# Altium PCB Main_Power_Uint_1st.PcbDoc (part 2 of 2)
Units mm, origin at the board's own origin, x right, y up, seen from the top; angles counter-clockwise.
Board outline 124 x 148 mm, 4 copper layers (Top Layer, Layer 1, Layer 2, Bottom Layer), stack 0.603 mm thick; 173 components, 114 nets, 584 pads, 448 vias.
Unrouted connection lines stored in the file: 184.
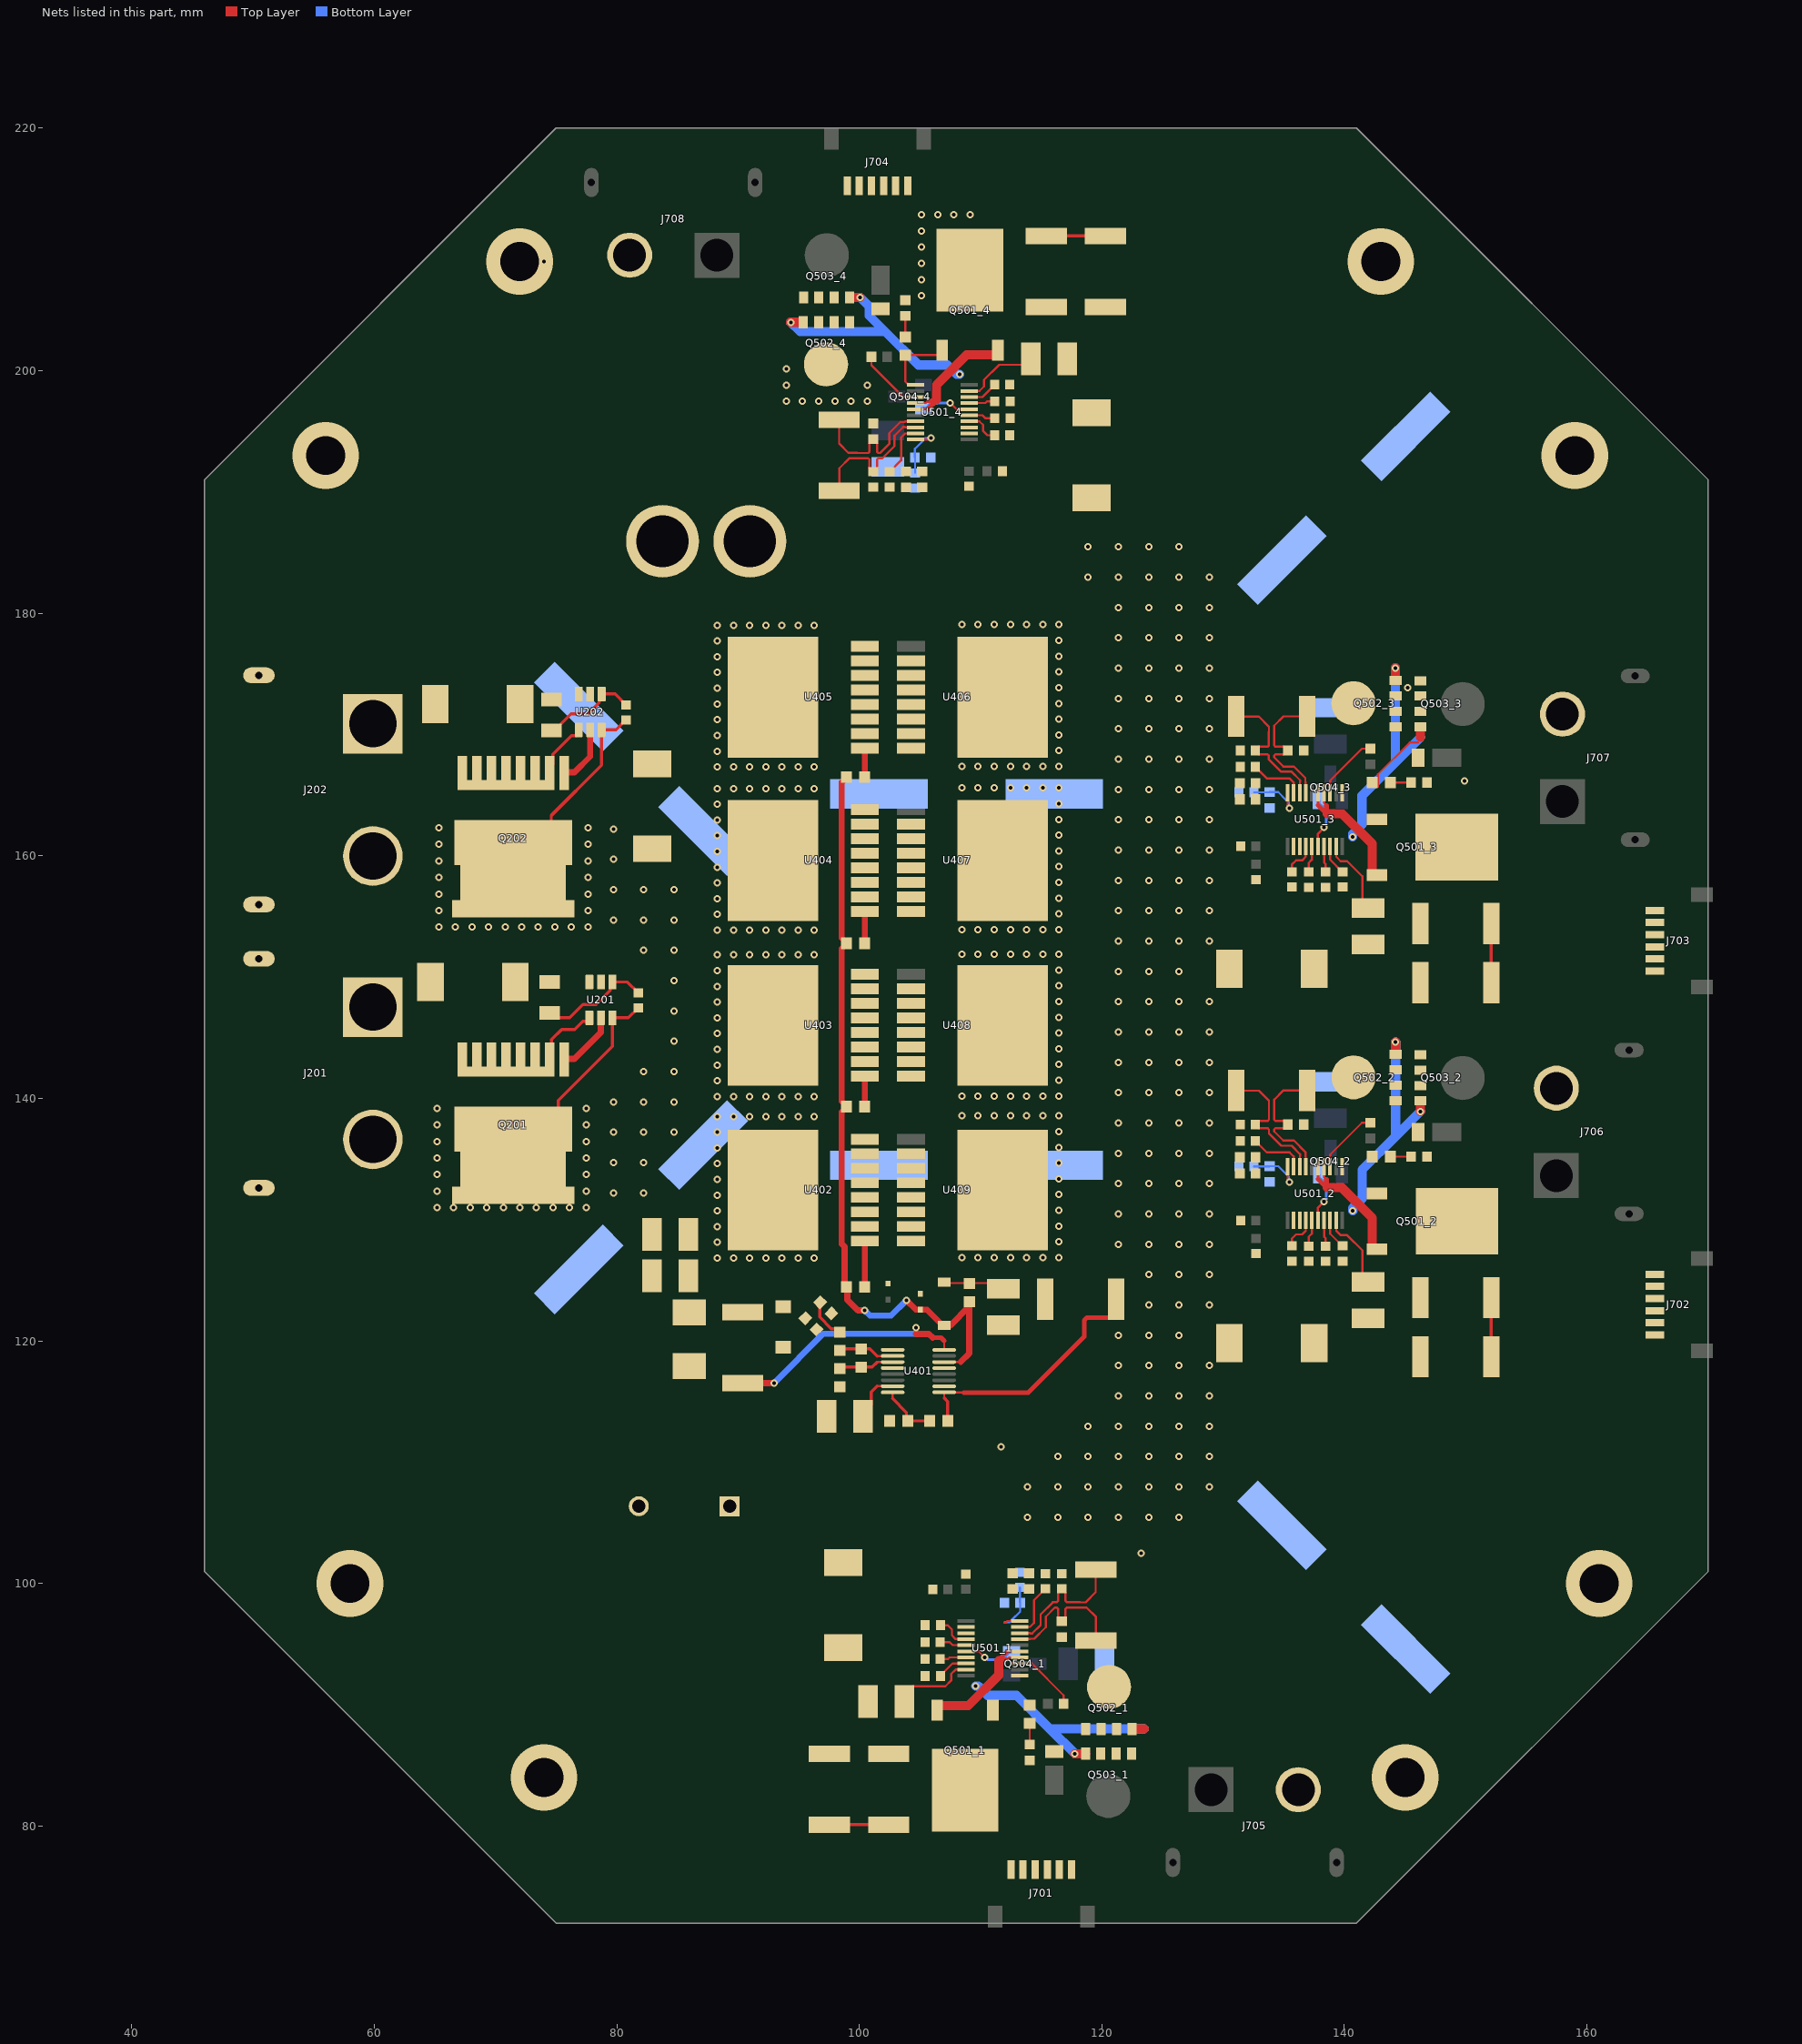
[diagram p3: the nets of this part, all layers, seen from the top]

## Via types
v1: diameter 0.6, hole 0.3, Top Layer to Bottom Layer, 440 vias
v2: diameter 5.5, hole 3.2, Top Layer to Bottom Layer, 8 vias

## Nets (pads, with @x,y where several pads share a name; then routed paths per layer and width w, separated by ;. In a path a pad name is that pad's centre, name@x,y a point inside that pad or via, vN(x,y) a via of type N, cw(c..) or ccw(c..) an arc to the next point about the centre after c; other vN are vias at no path point) (continued)
FB: R406.2 R407.1 U401.16 | length 4.7
  Top Layer w0.178: 102.75,115.247 U401.16@102.75,115.763
  Top Layer w0.254: 102.75,115.247 103.884,114.113 103.884,113.521 R407.1@104,113.406 R406.2@105.794,113.406
FLT_I1: J701.6 R506_1.1
FLT_I2: J702.6 R506_2.1
FLT_I3: J703.6 R506_3.1
FLT_I4: J704.6 R506_4.1
FLT_I_1: R506_1.2 U501_1.5 | length 2.2
  Top Layer w0.178: R506_1.2@106.678,95.166 107.442,95.166 107.693,94.915 108.787,94.915 U501_1.5@108.794,94.908
FLT_I_2: R506_2.2 U501_2.5 | length 2.2
  Top Layer w0.178: R506_2.2@137.061,127.823 137.061,128.587 137.312,128.838 137.312,129.932 U501_2.5@137.319,129.939
FLT_I_3: R506_3.2 U501_3.5 | length 2.2
  Top Layer w0.178: R506_3.2@137.058,158.663 137.058,159.427 137.309,159.677 137.309,160.772 U501_3.5@137.316,160.779
FLT_I_4: R506_4.2 U501_4.5 | length 2.2
  Top Layer w0.178: U501_4.5@109.057,196.327 109.064,196.32 110.158,196.32 110.409,196.069 R506_4.2@111.173,196.069
FLT_T1: J701.5 R505_1.1
FLT_T2: J702.5 R505_2.1
FLT_T3: J703.5 R505_3.1
FLT_T4: J704.5 R505_4.1
FLT_T_1: R505_1.2 U501_1.4 | length 2.9
  Top Layer w0.178: R505_1.2@106.688,96.563 107.287,96.563 107.635,96.215 107.635,95.72 107.939,95.415 108.787,95.415 U501_1.4@108.794,95.408
FLT_T_2: R505_2.2 U501_2.4 | length 2.9
  Top Layer w0.178: R505_2.2@135.664,127.833 135.664,128.432 136.012,128.78 136.507,128.78 136.812,129.084 136.812,129.932 U501_2.4@136.819,129.939
FLT_T_3: R505_3.2 U501_3.4 | length 2.9
  Top Layer w0.178: R505_3.2@135.661,158.673 135.661,159.272 136.009,159.619 136.504,159.619 136.809,159.924 136.809,160.772 U501_3.4@136.816,160.779
FLT_T_4: R505_4.2 U501_4.4 | length 2.9
  Top Layer w0.178: U501_4.4@109.057,195.827 109.064,195.82 109.912,195.82 110.216,195.515 110.216,195.02 110.564,194.672 R505_4.2@111.163,194.672
G1: J701.1 Q501_1.1 R514_1.2 U501_1.11
G2: J702.1 Q501_2.1 R514_2.2 U501_2.11
G3: J703.1 Q501_3.1 R514_3.2 U501_3.11
G4: J704.1 Q501_4.1 R514_4.2 U501_4.11 | length 6.3
  Top Layer w0.178: U501_4.11@104.633,198.827 104.07,198.827 103.797,199.1 R514_4.2@103.797,201.285 106.455,201.285 106.841,201.671 Q501_4.1@106.841,201.683
GATE1: Q201.1 U201.5 | length 5.2
  Top Layer w0.508: Q201.1@75.657,143.207 75.712,143.263 76.521,143.263 78.696,145.437 U201.5@78.696,146.642
GATE2: Q202.1 U202.5 | length 4.9
  Top Layer w0.508: Q202.1@75.657,166.829 75.721,166.894 76.521,166.894 77.807,168.179 U202.5@77.807,170.391
GND: C201.1 C202.1 C203.1 C204.2 C205.2 C206.2 C207.1 C208.1 C209.1 C401.1 C402.2 C403.1 C500_1.2 C500_2.2 C500_3.2 C500_4.2 C501_1.1 C501_2.1 C501_3.1 C501_4.1 C502_1.1 C502_2.1 C502_3.1 C502_4.1 C503_1.1 C503_2.1 C503_3.1 C503_4.1 C507_1.1 C507_2.1 C507_3.1 C507_4.1 C508_1.2 C508_2.2 C508_3.2 C508_4.2 C509_1.2 C509_2.2 C509_3.2 C509_4.2 D201.2 D202.2 D203.2 D401.2 D501_1.2 D501_2.2 D501_3.2 D501_4.2 D502_1.1 D502_2.1 D502_3.1 D502_4.1 J201.N J201.S1 J201.S2 J202.N J202.S1 J202.S2 J705.2 J706.2 J707.2 J708.2 J709.1 Q504_1.2 Q504_2.2 Q504_3.2 Q504_4.2 R403.2 R407.2 R502_1.1 R502_2.1 R502_3.1 R502_4.1 R503_1.1 R503_2.1 R503_3.1 R503_4.1 R504_1.1 R504_2.1 R504_3.1 R504_4.1 U201.2 U201.3 U202.2 U202.3 U401.12 U501_1.6 U501_2.6 U501_3.6 U501_4.6 | length 17.2
  Top Layer w0.178: v1(107.505,197.334) 108.012,196.827 U501_4.6@109.057,196.827 ; U501_1.6@108.794,94.408 109.838,94.408 v1(110.346,93.901) ; U501_3.6@137.816,160.779 137.816,161.823 v1(138.323,162.33) ; U501_2.6@137.819,129.939 137.819,130.983 v1(138.326,131.491)
  Bottom Layer w0.254: Q504_4.2@105.303,196.907 105.503,196.907 105.876,197.28 105.971,197.28 106.025,197.334 v1(107.505,197.334) ; v1(110.346,93.901) 110.405,93.901 110.584,93.722 111.48,93.722 111.499,93.703 111.815,93.703 112.038,93.926 112.038,94.018 112.348,94.328 Q504_1.2@112.548,94.328 ; Q504_3.2@137.896,164.532 137.896,164.332 138.206,164.023 138.298,164.023 138.521,163.8 138.521,163.484 138.502,163.465 138.502,162.569 138.323,162.39 v1(138.323,162.33) ; Q504_2.2@137.899,133.693 137.899,133.493 138.209,133.183 138.301,133.183 138.524,132.96 138.524,132.644 138.505,132.625 138.505,131.729 138.326,131.55 v1(138.326,131.491)
  other v1: 74,209
  other v2: 74,84 145,84 58,100 161,100 56,193 159,193 72,209 143,209
HGATE: D402.1 D404.2 R408.1 R409.1 R410.1 R411.1 R412.1 U401.6 | length 62.8
  Top Layer w0.178: U401.6@107,118.263 108.365,118.263
  Top Layer w0.508: R410.1@98.885,139.415 98.548,139.752 98.548,152.352 98.885,152.689 98.885,152.714 R411.1@98.954,152.783 ; R411.1@98.885,152.877 98.548,153.214 98.548,166.068 98.885,166.405 98.885,166.43 R412.1@98.954,166.499 ; R409.1@98.937,124.459 98.937,124.533 98.79,124.68 98.79,127.762 98.548,128.004 98.548,138.89 98.885,139.227 98.885,139.252 R410.1@98.954,139.321 ; R409.1@98.954,124.459 99.023,124.39 99.023,123.385 99.892,122.516 v1(100.454,122.516) ; v1(103.88,123.361) 104.667,122.574 105.574,122.574 D404.2@106.846,121.302 ; D404.2@107.165,121.291 107.513,121.291 R408.1@109.071,122.849 ; 108.365,118.263 109.071,118.969 R408.1@109.071,122.849 ; R408.1@109.071,123.234 R408.1@109.071,122.849
  Bottom Layer w0.508: v1(100.454,122.516) 100.879,122.091 102.61,122.091 v1(103.88,123.361)
I_SENSE_1_P: C506_1.1 Q502_1.5-6 R511_1.1 U501_1.17 | length 12
  Top Layer w0.178: U501_1.17@113.218,95.408 113.225,95.415 114.073,95.415 114.1,95.442 114.426,95.442 115.38,96.396 115.38,97.267 116.133,98.02 116.28,98.02 116.384,97.916 116.384,97.194 C506_1.1@116.696,96.883 117.007,97.194 117.007,97.916 117.111,98.02 118.029,98.02 118.036,98.013 118.744,98.013 119.515,97.241 R511_1.1@119.515,95.289
I_SENSE_2_P: C506_2.1 Q502_2.5-6 R511_2.1 U501_2.17 | length 12
  Top Layer w0.178: U501_2.17@136.819,134.363 136.812,134.37 136.812,135.218 136.785,135.245 136.785,135.571 135.831,136.525 134.96,136.525 134.207,137.278 134.207,137.425 134.311,137.529 135.033,137.529 C506_2.1@135.344,137.841 135.033,138.152 134.311,138.152 134.207,138.256 134.207,139.174 134.214,139.181 134.214,139.889 134.986,140.66 R511_2.1@136.938,140.66
I_SENSE_3_P: C506_3.1 Q502_3.5-6 R511_3.1 U501_3.17 | length 12
  Top Layer w0.178: U501_3.17@136.816,165.203 136.809,165.21 136.809,166.057 136.782,166.084 136.782,166.41 135.828,167.364 134.957,167.364 134.204,168.118 134.204,168.265 134.308,168.369 135.03,168.369 C506_3.1@135.341,168.68 135.03,168.991 134.308,168.991 134.204,169.096 134.204,170.013 134.211,170.021 134.211,170.728 134.983,171.5 R511_3.1@136.935,171.5
I_SENSE_4_P: C506_4.1 Q502_4.5-6 R511_4.1 U501_4.17 | length 12
  Top Layer w0.178: R511_4.1@98.336,195.946 98.336,193.994 99.107,193.222 99.815,193.222 99.822,193.215 100.74,193.215 100.844,193.319 100.844,194.041 C506_4.1@101.155,194.352 101.466,194.041 101.466,193.319 101.571,193.215 101.718,193.215 102.471,193.968 102.471,194.839 103.425,195.793 103.751,195.793 103.778,195.82 104.626,195.82 U501_4.17@104.633,195.827
  other v1: 93.98,197.483 95.314,197.483 96.649,197.483 97.983,197.483 99.317,197.483 100.651,197.483 93.98,198.818 100.651,198.818 93.98,200.152
I_SENSE_N: C402.1 C500_1.1 C500_2.1 C500_3.1 C500_4.1 C501_1.2 C501_2.2 C501_3.2 C501_4.2 C502_1.2 C502_2.2 C502_3.2 C502_4.2 D501_1.1 D501_2.1 D501_3.1 D501_4.1 J709.2 R405.2 R406.1 R501_1.2 R501_2.2 R501_3.2 R501_4.2 R508_1.2 R508_2.2 R508_3.2 R508_4.2 R509_1.2 R509_2.2 R509_3.2 R509_4.2 R510_1.1 R510_1.2 R510_2.1 R510_2.2 R510_3.1 R510_3.2 R510_4.1 R510_4.2 R511_1.2 R511_2.2 R511_3.2 R511_4.2 U401.1 U501_1.18 U501_2.18 U501_3.18 U501_4.18 | length 79.4
  Top Layer w0.178: R511_4.2@98.336,190.096 98.361,190.121 98.361,191.954 99.198,192.79 99.636,192.79 99.644,192.783 100.74,192.783 100.844,192.679 100.844,191.946 101.13,191.66 R510_4.2@101.155,191.66 ; R510_4.2@101.18,191.66 101.466,191.946 101.466,192.679 101.571,192.783 101.897,192.783 102.903,193.789 102.903,194.66 103.604,195.361 103.751,195.361 103.778,195.334 104.626,195.334 U501_4.18@104.633,195.327 ; 107,115.311 U401.1@107,115.763 108.6,115.763 108.633,115.73 ; U501_1.18@113.218,95.908 113.225,95.901 114.073,95.901 114.1,95.874 114.247,95.874 114.948,96.575 114.948,97.446 115.954,98.452 116.28,98.452 116.384,98.556 116.384,99.288 R510_1.2@116.671,99.574 ; R510_1.2@116.696,99.574 116.721,99.574 117.007,99.288 117.007,98.556 117.111,98.452 118.207,98.452 118.215,98.445 118.653,98.445 119.49,99.281 119.49,101.114 R511_1.2@119.515,101.139 ; R511_3.2@131.085,171.5 131.11,171.474 132.943,171.474 133.78,170.638 133.78,170.2 133.772,170.192 133.772,169.096 133.668,168.991 132.936,168.991 132.65,168.705 R510_3.2@132.65,168.68 ; R511_2.2@131.088,140.66 131.113,140.635 132.946,140.635 133.782,139.798 133.782,139.36 133.775,139.352 133.775,138.256 133.671,138.152 132.939,138.152 132.652,137.866 R510_2.2@132.652,137.841 ; R510_3.2@132.65,168.655 132.936,168.369 133.668,168.369 133.772,168.265 133.772,167.939 134.779,166.933 135.649,166.933 136.35,166.232 136.35,166.084 136.323,166.057 136.323,165.21 U501_3.18@136.316,165.203 ; R510_2.2@132.652,137.816 132.939,137.529 133.671,137.53 133.775,137.425 133.775,137.099 134.781,136.093 135.652,136.093 136.353,135.392 136.353,135.245 136.326,135.218 136.326,134.37 U501_2.18@136.319,134.363 ; 142.761,166.71 145.391,169.341 ; 142.761,166.71 142.761,165.711 142.761,166.71 ; 142.761,166.71 145.391,169.341 ; 145.391,169.341 146.083,169.341 145.391,169.341
  Top Layer w0.254: 107,115.311 107.294,115.017 R406.1@107.294,113.406
  Top Layer w0.381: 108.633,115.73 113.921,115.73 118.557,120.365 118.557,121.706 118.78,121.929 120.68,121.929 121.165,122.414 R405.2@121.165,123.439
  other v1: 113.865,105.469 116.365,105.469 118.865,105.469 121.365,105.469 123.865,105.469 126.365,105.469 113.865,107.969 116.365,107.969 118.865,107.969 121.365,107.969 123.865,107.969 126.365,107.969 128.865,107.969 116.365,110.469 118.865,110.469 121.365,110.469 123.865,110.469 126.365,110.469 128.865,110.469 118.865,112.969 121.365,112.969 123.865,112.969 126.365,112.969 128.865,112.969 121.365,115.469 123.865,115.469 126.365,115.469 128.865,115.469 121.365,117.969 123.865,117.969 126.365,117.969 128.865,117.969 121.365,120.469 123.865,120.469 126.365,120.469 123.865,122.969 126.365,122.969 128.865,122.969 123.865,125.469 126.365,125.469 128.865,125.469 121.365,127.969 123.865,127.969 126.365,127.969 128.865,127.969 121.365,130.469 123.865,130.469 126.365,130.469 128.865,130.469 121.365,132.969 123.865,132.969 126.365,132.969 128.865,132.969 121.365,135.469 123.865,135.469 126.365,135.469 128.865,135.469 121.365,137.969 123.865,137.969 126.365,137.969 128.865,137.969 121.365,140.469 123.865,140.469 126.365,140.469 128.865,140.469 121.365,142.969 123.865,142.969 126.365,142.969 128.865,142.969 121.365,145.469 123.865,145.469 126.365,145.469 128.865,145.469 121.365,147.969 123.865,147.969 126.365,147.969 128.865,147.969 121.365,150.469 123.865,150.469 126.365,150.469 121.365,152.969 123.865,152.969 126.365,152.969 128.865,152.969 121.365,155.469 123.865,155.469 126.365,155.469 128.865,155.469 121.365,157.969 123.865,157.969 126.365,157.969 128.865,157.969 121.365,160.469 123.865,160.469 126.365,160.469 128.865,160.469 121.365,162.969 123.865,162.969 126.365,162.969 128.865,162.969 121.365,165.469 123.865,165.469 126.365,165.469 128.865,165.469 121.365,167.969 123.865,167.969 126.365,167.969 128.865,167.969 121.365,170.469 123.865,170.469 126.365,170.469 128.865,170.469 121.365,172.969 123.865,172.969 126.365,172.969 128.865,172.969 121.365,175.469 123.865,175.469 126.365,175.469 128.865,175.469 121.365,177.969 123.865,177.969 126.365,177.969 128.865,177.969 121.365,180.469 123.865,180.469 126.365,180.469 128.865,180.469 118.865,182.969 121.365,182.969 123.865,182.969 126.365,182.969 128.865,182.969 118.865,185.469 121.365,185.469 123.865,185.469 126.365,185.469
I_SENSE_P: R405.1 U401.2 U406.9 U407.9 U408.9 U409.9
  other v1: 108.458,126.873 109.792,126.873 111.127,126.873 112.461,126.873 113.795,126.873 115.129,126.873 116.464,126.873 116.464,128.171 116.464,129.469 116.464,130.768 116.464,132.066 116.464,133.364 116.464,134.662 116.464,135.961 116.464,137.259 108.458,138.557 109.792,138.557 111.127,138.557 112.461,138.557 113.795,138.557 115.129,138.557 116.464,138.557 108.458,140.195 109.792,140.195 111.127,140.195 112.461,140.195 113.795,140.195 115.129,140.195 116.464,140.195 116.464,141.493 116.464,142.791 116.464,144.089 116.464,145.388 116.464,146.686 116.464,147.984 116.464,149.282 116.464,150.581 108.458,151.879 109.792,151.879 111.127,151.879 112.461,151.879 113.795,151.879 115.129,151.879 116.464,151.879 108.458,153.911 109.792,153.911 111.127,153.911 112.461,153.911 113.795,153.911 115.129,153.911 116.464,153.911 116.464,155.209 116.464,156.507 116.464,157.805 116.464,159.104 116.464,160.402 116.464,161.7 116.464,162.998 116.464,164.297 108.458,165.595 109.792,165.595 111.127,165.595 112.461,165.595 113.795,165.595 115.129,165.595 116.464,165.595 108.458,167.373 109.792,167.373 111.127,167.373 112.461,167.373 113.795,167.373 115.129,167.373 116.464,167.373 116.464,168.671 116.464,169.969 116.464,171.267 116.464,172.566 116.464,173.864 116.464,175.162 116.464,176.46 116.464,177.759 108.458,179.057 109.792,179.057 111.127,179.057 112.461,179.057 113.795,179.057 115.129,179.057 116.464,179.057
IMON_1: R503_1.2 U501_1.7 | length 2.2
  Top Layer w0.178: R503_1.2@106.678,93.769 107.32,93.769 107.452,93.901 108.787,93.901 U501_1.7@108.794,93.908
IMON_2: R503_2.2 U501_2.7 | length 2.2
  Top Layer w0.178: U501_2.7@138.319,129.939 138.326,129.932 138.326,128.597 138.458,128.465 R503_2.2@138.458,127.823
IMON_3: R503_3.2 U501_3.7 | length 2.2
  Top Layer w0.178: U501_3.7@138.316,160.779 138.323,160.772 138.323,159.436 138.455,159.304 R503_3.2@138.455,158.663
IMON_4: R503_4.2 U501_4.7 | length 2.2
  Top Layer w0.178: U501_4.7@109.057,197.327 109.064,197.334 110.399,197.334 110.531,197.466 R503_4.2@111.173,197.466
IN1: D201.1 J201.P Q201.2-8 U201.4 | length 5.2
  Top Layer w0.254: Q201.2-8@74.457,143.607 74.614,143.765 74.614,144.839 75.461,145.686 76.521,145.686 77.189,146.354 77.548,146.354 77.746,146.552 U201.4@77.746,146.642
IN2: D202.1 J202.P Q202.2-8 U202.4 | length 4.4
  Top Layer w0.254: Q202.2-8@74.457,167.229 74.73,167.502 74.73,168.372 76.276,169.918 76.659,169.918 76.857,170.116 U202.4@76.857,170.391
INP1: J701.3 U501_1.3
INP2: J702.3 U501_2.3
INP3: J703.3 U501_3.3
INP4: J704.3 U501_4.3
INP_G1: J701.4 U501_1.2
INP_G2: J702.4 U501_2.2
INP_G3: J703.4 U501_3.2
INP_G4: J704.4 U501_4.2
ISCP_1: C506_1.2 R509_1.1 U501_1.19 | length 4.6
  Top Layer w0.178: U501_1.19@113.218,96.408 113.225,96.415 114.073,96.415 114.407,96.75 114.407,98.632 R509_1.1@115.349,99.574 ; C506_1.2@116.664,95.551 C506_1.2@116.696,95.583
ISCP_2: C506_2.2 R509_2.1 U501_2.19 | length 4.6
  Top Layer w0.178: R509_2.1@132.652,136.494 133.595,135.552 135.477,135.552 135.812,135.218 135.812,134.37 U501_2.19@135.819,134.363 ; C506_2.2@136.644,137.841 C506_2.2@136.676,137.809
ISCP_3: C506_3.2 R509_3.1 U501_3.19 | length 4.6
  Top Layer w0.178: R509_3.1@132.65,167.334 133.592,166.392 135.474,166.392 135.809,166.057 135.809,165.21 U501_3.19@135.816,165.203 ; C506_3.2@136.641,168.68 C506_3.2@136.673,168.649
  other v1: 149.885,166.158
ISCP_4: C506_4.2 R509_4.1 U501_4.19 | length 4.6
  Top Layer w0.178: C506_4.2@101.155,195.652 C506_4.2@101.187,195.683 ; R509_4.1@102.502,191.66 103.444,192.602 103.444,194.485 103.778,194.82 104.626,194.82 U501_4.19@104.633,194.827
IWRN_1: R504_1.2 U501_1.8 | length 2.5
  Top Layer w0.178: R504_1.2@106.688,92.372 106.688,92.397 107.699,93.408 U501_1.8@108.794,93.408
IWRN_2: R504_2.2 U501_2.8 | length 2.5
  Top Layer w0.178: U501_2.8@138.819,129.939 138.819,128.844 139.83,127.833 R504_2.2@139.855,127.833
IWRN_3: R504_3.2 U501_3.8 | length 2.5
  Top Layer w0.178: U501_3.8@138.816,160.779 138.816,159.684 139.827,158.673 R504_3.2@139.852,158.673
IWRN_4: R504_4.2 U501_4.8 | length 2.5
  Top Layer w0.178: U501_4.8@109.057,197.827 110.152,197.827 111.163,198.838 R504_4.2@111.163,198.863
NetC403_2: C403.2 D404.1 R408.2 | length 5.1
  Top Layer w0.178: D404.1@107,124.841 107.067,124.774 111.407,124.774 C403.2@111.89,124.291
NetC509_1_1: C509_1.1 R514_1.1 | length 1.7
  Top Layer w0.178: C509_1.1@114.054,86.722 R514_1.1@114.054,88.45
NetC509_2_1: C509_2.1 R514_2.1 | length 1.7
  Top Layer w0.178: R514_2.1@143.777,135.199 C509_2.1@145.505,135.199
NetC509_3_1: C509_3.1 R514_3.1 | length 1.7
  Top Layer w0.178: R514_3.1@143.774,166.039 C509_3.1@145.502,166.039
NetC509_4_1: C509_4.1 R514_4.1 | length 1.7
  Top Layer w0.178: R514_4.1@103.797,202.785 C509_4.1@103.797,204.513
NetQ501_1_2: Q501_1.2 R512_1.1 R513_1.1
NetQ501_2_2: Q501_2.2 R512_2.1 R513_2.1
NetQ501_3_2: Q501_3.2 R512_3.1 R513_3.1
NetQ501_4_2: Q501_4.2 R512_4.1 R513_4.1
  other v1: 105.128,206.181 105.128,207.515 105.128,208.849 105.128,210.183 105.128,211.518 105.128,212.852 106.462,212.852 107.797,212.852 109.131,212.852
NetR409_2: R409.2 U402.1 | length 3.8
  Top Layer w0.508: R409.2@100.454,124.459 U402.1@100.454,128.234
NetR410_2: R410.2 U403.1 | length 2.5
  Top Layer w0.508: R410.2@100.454,139.321 U403.1@100.454,141.823
NetR411_2: R411.2 U404.1 | length 2.6
  Top Layer w0.508: R411.2@100.454,152.783 U404.1@100.454,155.411
NetR412_2: R412.2 U405.1 | length 2.4
  Top Layer w0.508: R412.2@100.454,166.499 U405.1@100.454,168.874
OUT1: C203.2 C204.1 C205.1 C206.1 C207.2 C208.2 C209.2 D203.1 D401.1 Q201.Tab Q202.Tab R201.2 R202.2 R401.1 R404.1 U201.6 U202.6 U402.9 U403.9 U404.9 U405.9 | length 36.9
  Top Layer w0.254: Q201.Tab@71.457,137.584 Q201.Tab@73.177,137.584 ; Q201.Tab@73.282,137.43 73.426,137.43 75.176,139.18 75.176,139.815 79.646,144.285 U201.6@79.646,146.642 80.956,146.642 81.766,147.452 R201.2@81.791,147.452 ; Q202.Tab@73.282,161.052 73.254,161.079 Q202.Tab@71.457,161.079 72.875,161.079 74.598,162.802 74.598,163.323 78.757,167.482 U202.6@78.757,170.391 79.94,170.391 80.75,171.201 R202.2@80.775,171.201 ; C208.2@96.777,123.185 96.777,122.799 96.731,122.754 96.731,121.96 97.676,121.015 98.079,121.015 R401.1@98.384,120.71
  other v1: 88.289,126.83 89.623,126.83 90.957,126.83 92.291,126.83 93.626,126.83 94.96,126.83 96.294,126.83 88.289,128.128 88.289,129.427 88.289,130.725 65.183,130.989 66.548,130.989 67.913,130.989 69.278,130.989 70.644,130.989 72.009,130.989 73.374,130.989 74.739,130.989 76.105,130.989 77.47,130.989 88.289,132.023 79.731,132.207 82.231,132.207 65.183,132.354 77.47,132.354 88.289,133.321 65.183,133.719 77.47,133.719 88.289,134.62 79.731,134.707 82.231,134.707 65.183,135.084 77.47,135.084 88.289,135.918 65.183,136.45 77.47,136.45 79.731,137.207 82.231,137.207 84.731,137.207 88.289,137.216 65.183,137.815 77.47,137.815 88.289,138.514 89.623,138.514 90.957,138.514 92.291,138.514 93.626,138.514 94.96,138.514 96.294,138.514 65.183,139.18 77.47,139.18 79.731,139.707 82.231,139.707 84.731,139.707 88.289,140.152 89.623,140.152 90.957,140.152 92.291,140.152 93.626,140.152 94.96,140.152 96.294,140.152 88.289,141.45 82.231,142.207 84.731,142.207 88.289,142.748 88.289,144.047 84.731,144.707 88.289,145.345 88.289,146.643 84.731,147.207 88.289,147.941 88.289,149.24 84.731,149.707 88.289,150.538 88.289,151.836 89.623,151.836 90.957,151.836 92.291,151.836 93.626,151.836 94.96,151.836 96.294,151.836 82.231,152.207 84.731,152.207 88.289,153.868 89.623,153.868 90.957,153.868 92.291,153.868 93.626,153.868 94.96,153.868 96.294,153.868 65.338,154.122 66.703,154.122 68.068,154.122 69.433,154.122 70.799,154.122 72.164,154.122 73.529,154.122 74.894,154.122 76.26,154.122 77.625,154.122 79.731,154.707 82.231,154.707 84.731,154.707 88.288,155.166 65.338,155.487 77.625,155.487 88.288,156.464 65.338,156.853 77.625,156.853 79.731,157.207 82.231,157.207 84.731,157.207 88.288,157.763 65.338,158.218 77.625,158.218 88.288,159.061 65.338,159.583 77.625,159.583 79.731,159.707 88.288,160.359 65.338,160.948 77.625,160.948 88.288,161.657 79.731,162.207 65.338,162.313 77.625,162.313 88.288,162.956 88.288,164.254 88.288,165.552 89.623,165.552 90.957,165.552 92.291,165.552 93.625,165.552 94.96,165.552 96.294,165.552 88.288,167.33 89.623,167.33 90.957,167.33 92.291,167.33 93.625,167.33 94.96,167.33 96.294,167.33 88.288,168.628 88.288,169.926 88.288,171.225 88.288,172.523 88.288,173.821 88.288,175.119 88.288,176.418 88.288,177.716 88.288,179.014 89.623,179.014 90.957,179.014 92.291,179.014 93.625,179.014 94.96,179.014 96.294,179.014
OV: R402.2 R403.1 U401.11 | length 4.6
  Top Layer w0.178: 101.476,118.243 101.495,118.263 U401.11@102.75,118.263
  Top Layer w0.254: R403.1@98.384,117.712 98.509,117.837 101.069,117.837 101.476,118.243
PD_1: Q501_1.3 Q502_1.4 Q503_1.4 U501_1.14 U501_1.15 | length 31.6
  Top Layer w0.178: 112.165,93.703 112.363,93.901 113.211,93.901 U501_1.14@113.218,93.908 ; 112.194,94.408 U501_1.15@113.218,94.408 ; Q502_1.4@122.478,87.994 Q502_1.4@122.493,88.009
  Top Layer w0.381: 112.165,93.703 111.489,93.703 112.194,94.408
  Top Layer w0.762: Q501_1.3@106.43,89.552 106.43,89.833 106.524,89.927 108.993,89.927 111.49,92.424 111.49,93.631 ; v1(117.777,85.962) Q503_1.4@118.647,85.962 ; Q502_1.4@122.493,88.009 123.503,88.009
  Bottom Layer w0.762: v1(109.584,91.534) 109.822,91.534 110.584,90.772 112.967,90.772 115.729,88.009 ; v1(117.777,85.962) 115.729,88.009 ; 123.503,88.009 115.729,88.009
  other v1: 123.249,102.487
PD_2: Q501_2.3 Q502_2.4 Q503_2.4 U501_2.14 U501_2.15 | length 31.6
  Top Layer w0.178: 137.819,133.339 U501_2.15@137.819,134.363 ; U501_2.14@138.319,134.363 138.326,134.356 138.326,133.508 138.524,133.31 ; Q502_2.4@144.218,143.638 Q502_2.4@144.233,143.623
  Top Layer w0.381: 137.819,133.339 138.524,132.634 138.524,133.31
  Top Layer w0.762: 138.596,132.635 139.803,132.635 142.3,130.138 142.3,127.669 142.394,127.575 Q501_2.3@142.675,127.575 ; Q502_2.4@144.218,143.638 v1(144.218,144.648) ; v1(146.265,138.922) Q503_2.4@146.265,139.792
  Bottom Layer w0.762: v1(140.693,130.729) 140.693,130.967 141.455,131.729 141.455,134.112 144.218,136.874 ; v1(144.218,144.648) 144.218,136.874 ; v1(146.265,138.922) 144.218,136.874
PD_3: Q501_3.3 Q502_3.4 Q503_3.4 U501_3.14 U501_3.15 | length 31.6
  Top Layer w0.178: 137.816,164.179 U501_3.15@137.816,165.203 ; U501_3.14@138.316,165.203 138.323,165.196 138.323,164.348 138.521,164.15 ; Q502_3.4@144.215,174.478 Q502_3.4@144.231,174.463
  Top Layer w0.381: 137.816,164.179 138.521,163.474 138.521,164.15
  Top Layer w0.762: 138.594,163.474 139.8,163.474 142.297,160.978 142.297,158.509 142.391,158.415 Q501_3.3@142.672,158.415 ; Q502_3.4@144.215,174.478 v1(144.215,175.488) ; 146.263,169.762 Q503_3.4@146.263,170.632
  Bottom Layer w0.762: v1(140.69,161.568) 140.69,161.807 141.452,162.569 141.452,164.951 144.215,167.714 ; v1(144.215,175.488) 144.215,167.714 ; 146.263,169.762 144.215,167.714
  other v1: 145.209,173.873
PD_4: Q501_4.3 Q502_4.4 Q503_4.4 U501_4.14 U501_4.15 | length 32.7
  Top Layer w0.178: U501_4.15@104.633,196.827 105.657,196.827 ; U501_4.14@104.633,197.327 104.64,197.334 105.488,197.334 105.686,197.532
  Top Layer w0.381: 105.657,196.827 106.362,197.532 105.686,197.532
  Top Layer w0.762: v1(94.348,203.988) 95.367,203.988 95.373,203.994 Q502_4.4@95.373,204.003 ; Q503_4.4@99.204,206.035 v1(100.074,206.035) ; 106.361,197.604 106.361,198.811 108.858,201.308 111.327,201.308 111.421,201.402 Q501_4.3@111.421,201.683
  Bottom Layer w0.762: v1(94.348,203.988) 95.11,203.226 102.122,203.226 ; v1(100.074,206.035) 100.811,205.298 100.811,204.536 102.122,203.226 ; v1(108.267,199.701) 108.029,199.701 107.267,200.463 104.884,200.463 102.122,203.226
PRE_CHARGE1: J701.2 R512_1.2 R513_1.2 | length 4.9
  Top Layer w0.254: R512_1.2@97.544,80.122 R513_1.2@102.43,80.122
PRE_CHARGE2: J702.2 R512_2.2 R513_2.2 | length 4.9
  Top Layer w0.254: R512_2.2@152.105,118.689 R513_2.2@152.105,123.575
PRE_CHARGE3: J703.2 R512_3.2 R513_3.2 | length 4.9
  Top Layer w0.254: R512_3.2@152.102,149.529 R513_3.2@152.102,154.415
PRE_CHARGE4: J704.2 R512_4.2 R513_4.2 | length 4.9
  Top Layer w0.254: R513_4.2@115.421,211.113 R512_4.2@120.307,211.113
SHDN: U401.9
SOURCE: D402.2 D403.2 U401.5 U402.2 U402.3 U402.4 U402.5 U402.6 U402.7 U402.8 U403.2 U403.3 U403.4 U403.5 U403.6 U403.7 U403.8 U404.2 U404.3 U404.4 U404.5 U404.6 U404.7 U404.8 U405.2 U405.3 U405.4 U405.5 U405.6 U405.7 U405.8 U406.2 U406.3 U406.4 U406.5 U406.6 U406.7 U406.8 U407.2 U407.3 U407.4 U407.5 U407.6 U407.7 U407.8 U408.2 U408.3 U408.4 U408.5 U408.6 U408.7 U408.8 U409.2 U409.3 U409.4 U409.5 U409.6 U409.7 U409.8
SRC_1: C505_1.2 Q502_1.1 Q502_1.2 Q502_1.3 Q503_1.1 Q503_1.2 Q503_1.3 U501_1.13 | length 5.4
  Top Layer w0.178: U501_1.13@113.218,93.408 114.218,93.408 116.848,90.778 C505_1.2@116.848,90.086
SRC_2: C505_2.2 Q502_2.1 Q502_2.2 Q502_2.3 Q503_2.1 Q503_2.2 Q503_2.3 U501_2.13 | length 5.4
  Top Layer w0.178: U501_2.13@138.819,134.363 138.819,135.363 141.449,137.993 C505_2.2@142.141,137.993
SRC_3: C505_3.2 Q502_3.1 Q502_3.2 Q502_3.3 Q503_3.1 Q503_3.2 Q503_3.3 U501_3.13 | length 5.4
  Top Layer w0.178: U501_3.13@138.816,165.203 138.816,166.202 141.446,168.833 C505_3.2@142.138,168.833
SRC_4: C505_4.2 Q502_4.1 Q502_4.2 Q502_4.3 Q503_4.1 Q503_4.2 Q503_4.3 U501_4.13 | length 5.4
  Top Layer w0.178: C505_4.2@101.003,201.149 101.003,200.457 103.633,197.827 U501_4.13@104.633,197.827
TMR: C401.2 U401.15 | length 4.2
  Top Layer w0.178: 101.464,116.263 U401.15@102.75,116.263
  Top Layer w0.254: C401.2@100.309,113.787 100.309,114.041 100.982,114.714 100.982,115.781 101.464,116.263
TMR_1: C503_1.2 U501_1.9 | length 6.8
  Top Layer w0.178: C503_1.2@103.718,90.264 103.718,90.814 104.429,91.525 107.101,91.525 107.572,91.996 107.572,92.534 107.939,92.901 108.787,92.901 U501_1.9@108.794,92.908
TMR_2: C503_2.2 U501_2.9 | length 6.5
  Top Layer w0.178: U501_2.9@139.319,129.939 139.326,129.932 139.326,129.084 139.693,128.717 140.231,128.717 141.482,127.466 141.482,125.344 C503_2.2@141.963,124.863
TMR_3: C503_3.2 U501_3.9 | length 6.5
  Top Layer w0.178: U501_3.9@139.316,160.779 139.323,160.772 139.323,159.924 139.69,159.557 140.228,159.557 141.479,158.306 141.479,156.183 C503_3.2@141.96,155.702
TMR_4: C503_4.2 U501_4.9 | length 6.5
  Top Layer w0.178: U501_4.9@109.057,198.327 109.064,198.334 109.912,198.334 110.279,198.701 110.279,199.238 111.53,200.49 113.652,200.49 C503_4.2@114.133,200.971
UV: R401.2 R402.1 U401.10 | length 4.7
  Top Layer w0.178: 101.464,118.751 101.476,118.763 U401.10@102.75,118.763
  Top Layer w0.254: R401.2@98.384,119.21 98.511,119.337 100.878,119.337 101.464,118.751
VCC: R404.2 U401.8 | length 19.3
  Top Layer w0.178: U401.8@107,119.263 107,120.01
  Top Layer w0.381: 106.048,120.264 106.746,120.264 107,120.01
  Top Layer w0.508: R404.2@90.383,116.521 v1(92.967,116.521) ; 104.676,120.594 104.694,120.576 105.735,120.576 106.048,120.264
  Bottom Layer w0.508: v1(92.967,116.521) 97.04,120.594 104.676,120.594
  other v1: 104.676,121.102
VS1: C201.2 R201.1 U201.1 | length 9.4
  Top Layer w0.254: C201.2@74.457,147.042 74.857,146.642 76.111,146.642 77.221,147.753 78.291,147.753 79.448,148.909 79.448,149.394 U201.1@79.646,149.592 80.875,149.592 81.766,148.702 R201.1@81.791,148.702
VS2: C202.2 R202.1 U202.1 | length 8.1
  Top Layer w0.254: C202.2@74.605,170.337 74.88,170.337 76.242,171.699 77.599,171.699 78.559,172.658 78.559,173.143 U202.1@78.757,173.341 79.859,173.341 80.75,172.451 R202.1@80.775,172.451
VS_1: C507_1.2 R508_1.1 U501_1.20 | length 5
  Top Layer w0.178: 111.951,96.773 112.066,96.773 112.201,96.908 U501_1.20@113.218,96.908
  Bottom Layer w0.178: 111.951,96.773 111.994,96.815 112.401,96.815 112.634,97.048 113.265,97.679 C507_1.2@113.265,98.401 113.25,98.416 R508_1.1@113.25,99.671
  other v1: 111.697,111.251
VS_2: C507_2.2 R508_2.1 U501_2.20 | length 5
  Top Layer w0.178: U501_2.20@135.319,134.363 135.319,133.346 135.454,133.211 v1(135.454,133.097)
  Bottom Layer w0.178: R508_2.1@132.556,134.395 133.811,134.395 C507_2.2@133.826,134.41 134.548,134.41 135.179,133.779 135.412,133.546 135.412,133.139 v1(135.454,133.097)
VS_3: C507_3.2 R508_3.1 U501_3.20 | length 5
  Top Layer w0.178: U501_3.20@135.316,165.203 135.316,164.185 135.451,164.051 v1(135.451,163.936)
  Bottom Layer w0.178: R508_3.1@132.553,165.235 133.808,165.235 C507_3.2@133.823,165.25 134.545,165.25 135.176,164.619 135.409,164.386 135.409,163.978 v1(135.451,163.936)
VS_4: C507_4.2 R508_4.1 U501_4.20 | length 5
  Top Layer w0.178: U501_4.20@104.633,194.327 105.65,194.327 105.785,194.462 v1(105.899,194.462)
  Bottom Layer w0.178: R508_4.1@104.601,191.564 104.601,192.819 C507_4.2@104.586,192.834 104.586,193.556 105.217,194.187 105.45,194.42 105.857,194.42 v1(105.899,194.462)
pads on no net: J701.7 J701.8 J702.7 J702.8 J703.7 J703.8 J704.7 J704.8 J705.S1 J705.S2 J706.S1 J706.S2 J707.S1 J707.S2 J708.S1 J708.S2 U401.3 U401.7 U501_1.16 U501_2.16 U501_3.16 U501_4.16

## Polygon pours and split planes (outlines as drawn)
I_SENSE_4_P on Top Layer "I_SENSE_4_P_L01_P032" (solid, pour order 32): 100.027,195.942 100.027,195.25 99.558,195.25 94.818,195.25 93.218,196.85 93.218,202.538 99.606,202.538 100.114,202.03 100.114,200.401 101.187,199.328 101.187,197.102
SOURCE on Top Layer "SOURCE_L01_P006" (solid, pour order 6): 106.302,179.776 106.302,126.233 97.702,126.233 97.702,169.629 97.702,179.776
I_SENSE_P on Top Layer "I_SENSE_P_L01_P025" (solid, pour order 25): 112.654,126.233 113.795,125.092 113.795,121.534 116.106,121.534 116.106,122.382 119.154,125.43 119.154,177.899 117.277,179.776 106.302,179.776 106.302,126.233
I_SENSE_N on Top Layer "I_SENSE_N_L01_P036" (solid, pour order 36): 119.154,177.902 117.28,179.776 87.376,179.776 87.376,190.952 124.386,190.952 131.854,183.484 131.854,105.1 126.774,100.02 88.141,100.02 88.141,112.212 112.141,112.212 119.154,119.225
OUT1 on Top Layer "OUT1_L01_P024" (solid, pour order 24): 64.544,129.789 78.345,129.789 79.554,131.059 83.188,131.059 84.458,129.789 84.458,121.153 94.374,121.153 97.676,124.455 97.676,179.781 87.379,179.781 87.379,167.889 82.426,162.936 64.544,162.936 64.544,153.36 78.374,153.36 82.807,148.928 82.807,145.918 76.533,139.644 64.544,139.644
EFUSE_OUT4 on Top Layer "EFUSE_OUT4_L01_P030" (solid, pour order 30): 102.743,206.035 101.093,206.035 100.264,206.864 98.314,206.864 98.168,207.01 85.217,207.01 85.217,213.868 102.743,213.868
SRC_4 on Top Layer "SRC_4_L01_P026" (solid, pour order 26): 100.495,205.275 101.446,204.324 101.446,200.457 100.322,200.457 100.322,202.227 99.846,202.703 96.05,202.703 96.05,204.705 95.669,205.086 94.78,205.086 94.78,206.864 98.083,206.864 98.545,206.402 98.545,205.275
NetQ501_4_2 on Top Layer "NETQ501_4_2_L01_P033" (solid, pour order 33): 104.394,204.578 122.047,204.578 122.047,209.277 114.211,209.277 109.62,213.868 104.394,213.868
IN1 on Top Layer "IN1_L01_P034" (solid, pour order 34): 70.107,147.718 72.727,145.098 74.886,145.098 74.886,141.473 56.471,141.473 56.471,152.689 70.107,152.689
IN2 on Top Layer "IN2_L01_P035" (solid, pour order 35): 70.361,170.961 72.503,168.818 74.886,168.818 74.886,164.5 56.471,164.5 56.471,175.93 70.361,175.93
I_SENSE_N on Layer 2 "I_SENSE_N_L03_P010" (solid, pour order 10): 97.773,220 97.773,185.547 111.851,185.547 119.51,177.889 119.51,119.637 112.141,112.268 97.773,112.268 97.773,72 141,72 170,101 170,191 141,220
I_SENSE_P on Layer 2 "I_SENSE_P_L03_P028" (solid, pour order 28): 119.51,177.924 111.887,185.547 97.79,185.547 97.79,112.268 112.141,112.268 119.51,119.637
OUT1 on Layer 2 "OUT1_L03_P029" (solid, pour order 29): 46,100.822 75,72 97.773,72 97.773,191.008 97.773,220 75,220 46,191 46,141.473

## Keep-outs
Keep-Out Layer:
  lines w0.254: 46,101 46,191 75,220 141,220 148.25,212.75 162.75,198.25 170,191 170,101 141,72 75,72 46,101

## Text inside footprints (layer, text, board x,y; h text height)
U402: Top 3D Body "RefDes2" at 96.098,130.211 h0.75 r90
U403: Top 3D Body "RefDes2" at 96.098,143.8 h0.75 r90
U405: Top 3D Body "RefDes2" at 96.098,170.851 h0.75 r90
U406: Top 3D Body "RefDes2" at 108.63,175.296 h0.75 r270
U407: Top 3D Body "RefDes2" at 108.63,161.834 h0.75 r270
U408: Top 3D Body "RefDes2" at 108.63,148.245 h0.75 r270
U409: Top 3D Body "RefDes2" at 108.63,134.656 h0.75 r270